# Altium PCB LimeSDR-X3_1v1.PcbDoc (part 19 of 25) (continued)
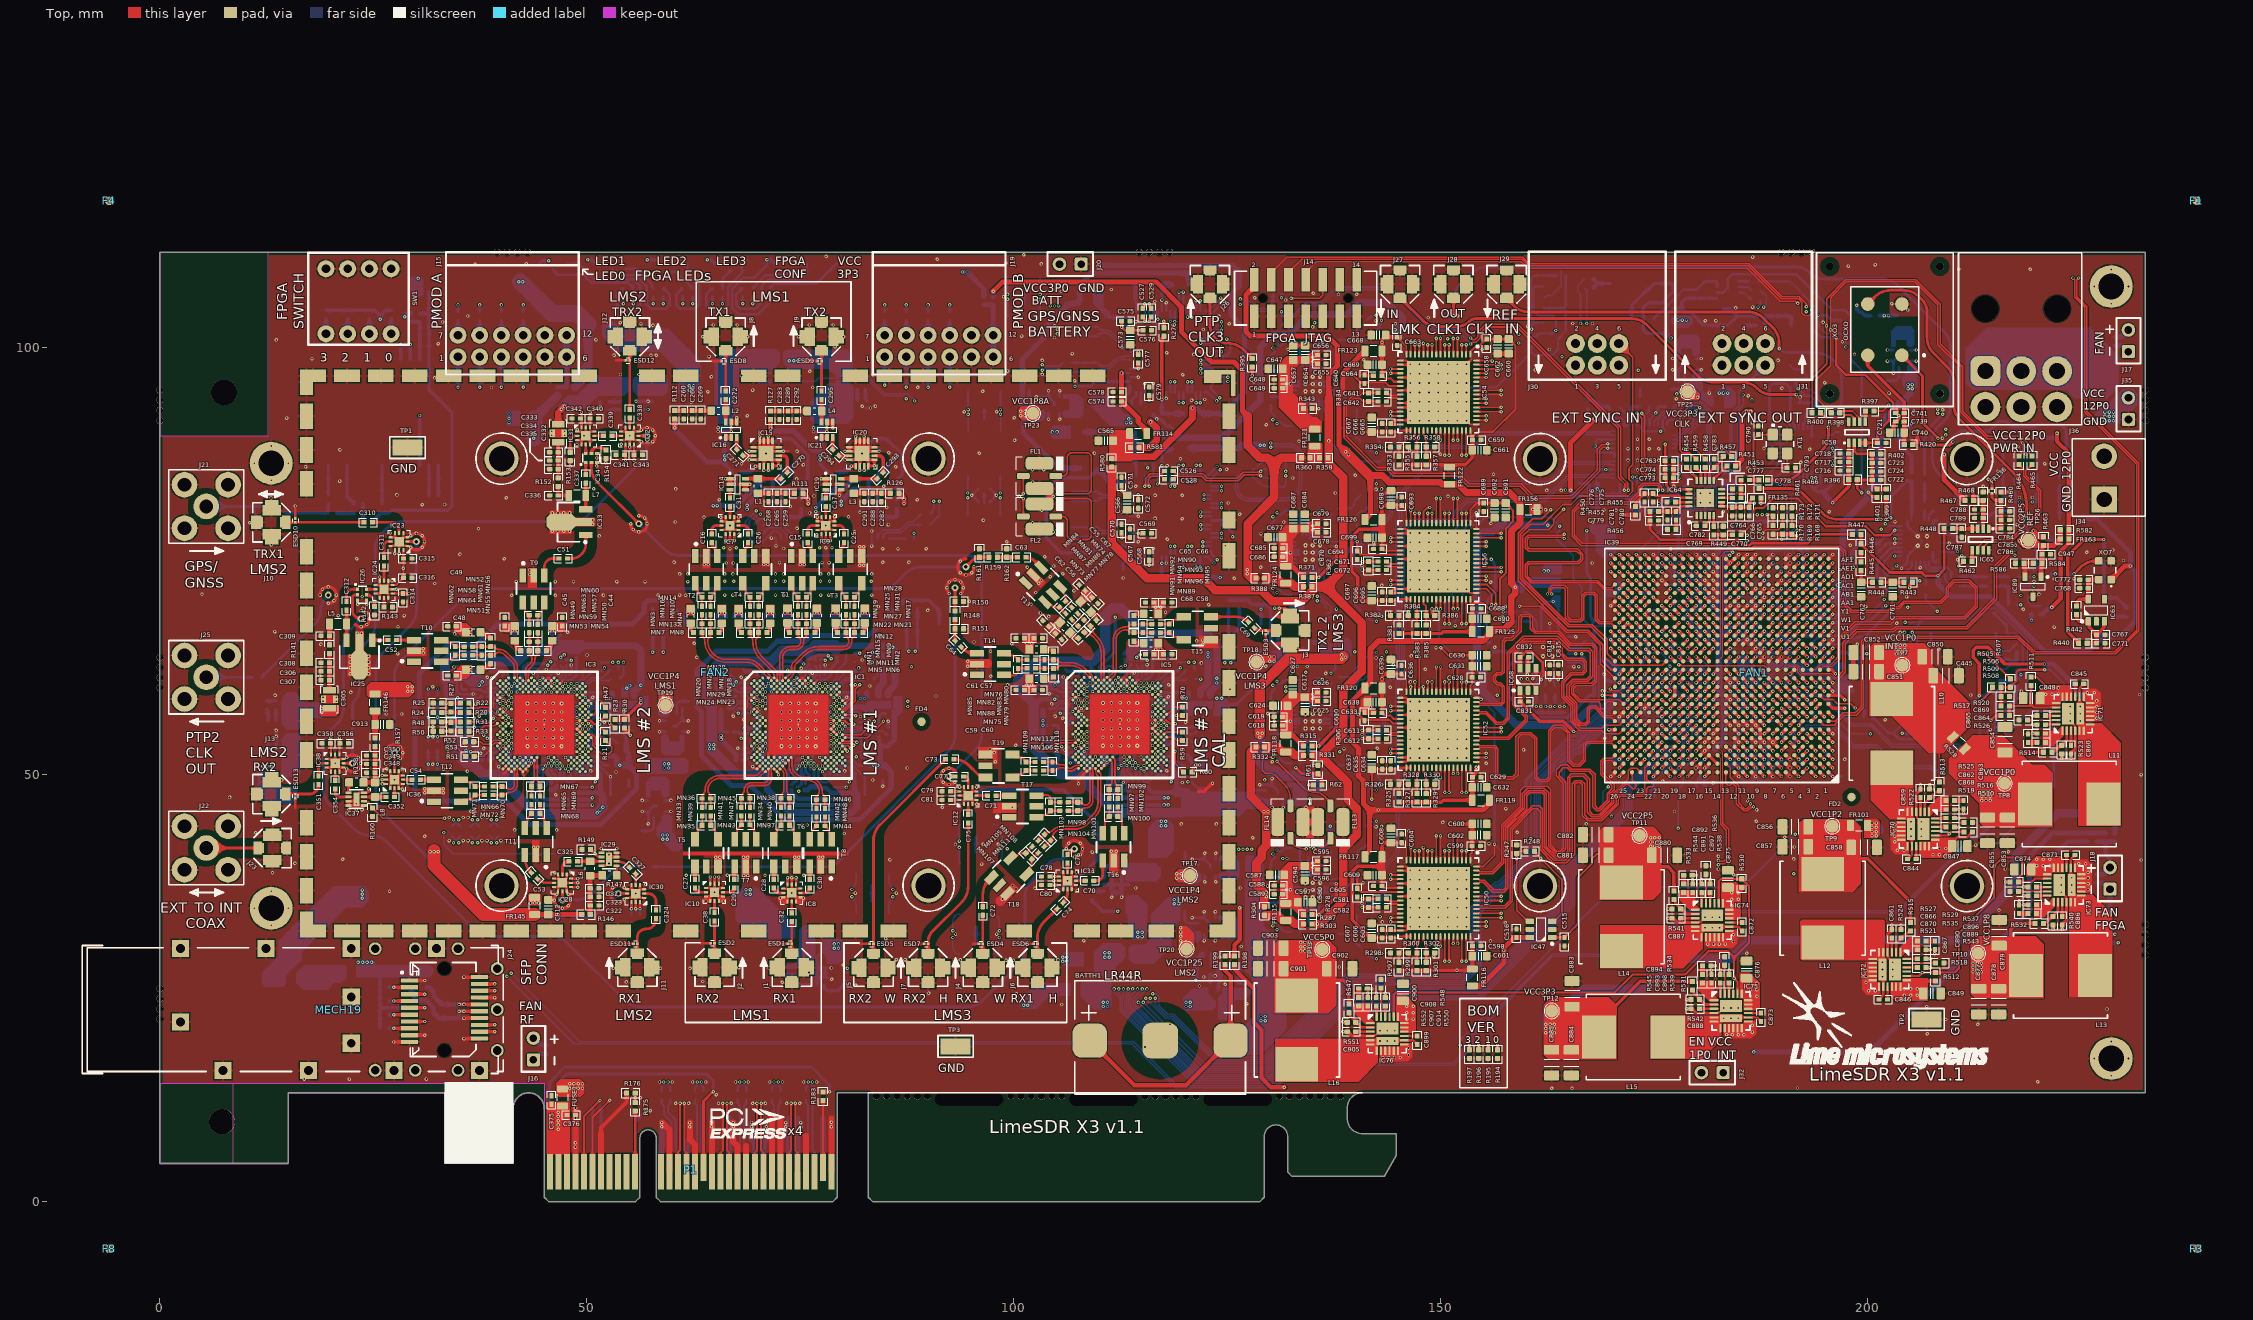
[diagram p0: Top view]
## Nets (pads, with @x,y where several pads share a name; then routed paths per layer and width w, separated by ;. In a path a pad name is that pad's centre, name@x,y a point inside that pad or via, vN(x,y) a via of type N, cw(c..) or ccw(c..) an arc to the next point about the centre after c; other vN are vias at no path point) (continued)
  Top w0.309: IC72.3@202.8,28.775 C861.1@202.8,30.875
NetC862_1: C862.1 IC70.1 R525.2 | length 3.7
  Top w0.2: IC70.1@207.15,45.625 207.425,45.9 207.775,45.9 ; 208.293,47.325 208.293,46.418 207.775,45.9 ; C862.1@209.1,45.9 207.775,45.9
NetC863_1: C863.1 R525.1 | length 1
  Top w0.5: R525.1@210.15,46.975 C863.1@211.189,46.975
NetC864_1: C864.1 IC71.1 R526.2 | length 3.7
  Top w0.2: C864.1@220.825,54.85 222.15,54.85 ; 221.632,53.425 221.632,54.332 222.15,54.85 ; IC71.1@222.775,55.125 222.5,54.85 222.15,54.85
NetC865_1: C865.1 R526.1 | length 1
  Top w0.5: C865.1@218.736,53.775 R526.1@219.775,53.775
NetC866_1: C866.1 IC72.1 R527.2 | length 3.7
  Top w0.2: IC72.1@203.8,29.175 204.075,29.45 204.425,29.45 ; 204.943,30.875 204.943,29.968 204.425,29.45 ; C866.1@205.75,29.45 204.425,29.45
NetC867_1: C867.1 R527.1 | length 1
  Top w0.5: R527.1@206.8,30.525 C867.1@207.839,30.525
NetC868_1: C868.1 IC70.24 | length 1.7
  Top w0.309: IC70.24@207.55,44.875 C868.1@209.2,44.875
NetC869_1: C869.1 IC71.24 | length 1.7
  Top w0.309: C869.1@220.725,55.875 IC71.24@222.375,55.875
NetC870_1: C870.1 IC72.24 | length 1.7
  Top w0.309: IC72.24@204.2,28.425 C870.1@205.85,28.425
NetC871_1: C871.1 IC73.15 | length 1.5
  Top w0.25: IC73.15@223.25,39.075 C871.1@223.25,40.575
NetC871_2: C871.2 IC73.5 IC73.6 IC73.7 IC73.14 IC73.26 L13.1 | length 8
  Top w0.2: IC73.5@223.75,35.075 223.75,31.475 225.625,29.6
  Top w0.25: IC73.14@223.75,39.075 223.75,40.075 C871.2@224.25,40.575
  other v4: 223.85,36.225 223.85,37.075 223.85,37.925
NetC872_1: C872.1 IC74.15 | length 1.5
  Top w0.25: IC74.15@183.776,32.68 C872.1@185.276,32.679
NetC872_2: C872.2 IC74.5 IC74.6 IC74.7 IC74.14 IC74.26 L14.1 | length 8
  Top w0.2: 174.301,30.305 176.176,32.18 IC74.5@179.776,32.18
  Top w0.25: IC74.14@183.776,32.18 184.776,32.179 C872.2@185.276,31.679
  other v4: 180.926,32.079 181.776,32.079 182.626,32.079
NetC873_1: C873.1 IC75.15 | length 1.5
  Top w0.25: IC75.15@185.975,22.075 C873.1@187.475,22.075
NetC873_2: C873.2 IC75.5 IC75.6 IC75.7 IC75.14 IC75.26 L15.1 | length 8
  Top w0.2: L15.1@176.5,19.7 178.375,21.575 IC75.5@181.975,21.575
  Top w0.25: IC75.14@185.975,21.575 186.975,21.575 C873.2@187.475,21.075
  other v4: 183.125,21.475 183.975,21.475 184.825,21.475
NetC886_1: C886.1 IC73.3 | length 2.1
  Top w0.309: C886.1@222.75,33.375 IC73.3@222.75,35.475
NetC887_1: C887.1 IC74.3 | length 2.1
  Top w0.309: C887.1@178.076,33.179 IC74.3@180.176,33.179
NetC888_1: C888.1 IC75.3 | length 2.1
  Top w0.309: C888.1@180.275,22.575 IC75.3@182.375,22.575
NetC889_1: C889.1 IC73.1 R543.2 | length 3.7
  Top w0.2: C889.1@219.8,34.8 221.125,34.8 ; 220.607,33.375 220.607,34.282 221.125,34.8 ; IC73.1@221.75,35.075 221.475,34.8 221.125,34.8
NetC890_1: C890.1 R543.1 | length 1
  Top w0.5: C890.1@217.711,33.725 R543.1@218.75,33.725
NetC891_1: C891.1 IC74.1 R544.2 | length 3.7
  Top w0.2: 178.076,35.322 178.983,35.322 179.501,34.804 ; C891.1@179.501,36.13 179.501,34.804 ; IC74.1@179.776,34.179 179.501,34.454 179.501,34.804
NetC892_1: C892.1 R544.1 | length 1
  Top w0.5: R544.1@178.426,37.18 C892.1@178.426,38.219
NetC893_1: C893.1 IC75.1 R545.2 | length 3.7
  Top w0.2: 180.275,24.718 181.182,24.718 181.7,24.2 ; C893.1@181.7,25.525 181.7,24.2 ; IC75.1@181.975,23.575 181.7,23.85 181.7,24.2
NetC894_1: C894.1 R545.1 | length 1
  Top w0.5: R545.1@180.625,26.575 C894.1@180.625,27.614
NetC896_1: C896.1 IC73.24 | length 1.7
  Top w0.309: C896.1@219.7,35.825 IC73.24@221.35,35.825
NetC897_1: C897.1 IC74.24 | length 1.7
  Top w0.309: IC74.24@180.526,34.579 C897.1@180.526,36.23
NetC898_1: C898.1 IC75.24 | length 1.7
  Top w0.309: IC75.24@182.725,23.975 C898.1@182.725,25.625
NetC899_1: C899.1 IC76.15 | length 1.5
  Top w0.25: IC76.15@145.725,19.4 C899.1@147.225,19.4
NetC899_2: C899.2 IC76.5 IC76.6 IC76.7 IC76.14 IC76.26 L16.1 | length 8
  Top w0.2: 136.25,17.025 138.125,18.9 IC76.5@141.725,18.9
  Top w0.25: IC76.14@145.725,18.9 146.725,18.9 C899.2@147.225,18.4
  other v4: 142.875,18.8 143.725,18.8 144.575,18.8
NetC905_1: C905.1 IC76.3 | length 2.1
  Top w0.309: C905.1@140.025,19.9 IC76.3@142.125,19.9
NetC907_1: C907.1 IC76.1 R552.2 | length 3.7
  Top w0.2: 140.025,22.043 140.932,22.043 141.45,21.525 ; C907.1@141.45,22.85 141.45,21.525 ; IC76.1@141.725,20.9 141.45,21.175 141.45,21.525
NetC908_1: C908.1 R552.1 | length 1
  Top w0.5: R552.1@140.375,23.9 C908.1@140.375,24.939
NetC909_1: C909.1 C910.1 C911.1 FUSE2.2 J36.1 J36.2 J36.3
NetC914_2: C914.2 IC76.24 | length 1.7
  Top w0.309: IC76.24@142.475,21.3 C914.2@142.475,22.95
NetC920_2: C920.2 C924.1 FR147.1 IC77.5 R554.2 | length 1.3
  Bottom w0.3: FR147.1@124.625,21.825 124.625,22.95 C920.2@124.775,23.1
NetC922_2: C922.2 C925.1 FR148.1 IC78.5 R556.2 | length 2.5
  Bottom w0.3: C922.2@114.75,38.662 114.9,38.512 FR148.1@116.025,38.512
  Bottom w0.5: C925.1@113.05,39.3 R556.2@113.05,40.425
NetC923_2: C923.2 C926.1 FR149.1 IC79.5 R558.2 | length 3.5
  Bottom w0.3: C923.2@75.825,29.925 75.975,30.075 FR149.1@75.975,31.2
  Bottom w0.5: R558.2@73.25,27.5 C926.1@74.3,27.5 74.3,27.55 74.35,27.55 75.075,28.275 75.075,28.3
NetC924_2: C924.2 IC77.4 R554.1 R559.2 | length 4.6
  Bottom w0.5: IC77.4@124.75,27.625 R559.2@126.375,27.625
  Bottom w0.6: R559.2@126.375,27.625 126.375,25.725 C924.2@126.425,25.675 R554.1@127.475,25.675
NetC925_2: C925.2 IC78.4 R556.1 R560.2 | length 3.9
  Bottom w0.5: IC78.4@110.525,37.975 110.525,39.125 R560.2@110.7,39.3 111.883,39.3 C925.2@112.05,39.3 R556.1@112.05,40.425
NetC926_2: C926.2 IC79.4 R558.1 R561.2 | length 4.1
  Bottom w0.5: R558.1@73.25,26.5 C926.2@74.3,26.5 R561.2@74.3,25.325 IC79.4@76.125,25.325
NetC927_2: C927.2 FR150.2 IC80.5 IC80.8 | length 3
  Bottom w0.3: IC80.5@124.35,40.1 125.266,40.1 FR150.2@125.655,39.711 C927.2@125.655,38.136
NetC929_2: C929.2 FR151.2 IC81.5 IC81.8 | length 3
  Bottom w0.3: IC81.5@135.22,65.489 136.136,65.489 FR151.2@136.525,65.1 C929.2@136.525,63.525
NetC931_2: C931.2 FR152.2 IC82.5 IC82.8 | length 3
  Bottom w0.3: C931.2@59.191,52.988 FR152.2@60.766,52.988 61.155,53.376 IC82.5@61.155,54.292
NetC933_2: C933.2 FR153.2 IC83.5 IC83.8 | length 3
  Bottom w0.3: IC83.5@124.316,33.225 125.232,33.225 FR153.2@125.621,32.836 C933.2@125.621,31.261
NetC935_2: C935.2 FR154.2 IC84.5 IC84.8 | length 3
  Bottom w0.3: IC84.5@132.25,48.8 133.166,48.8 FR154.2@133.555,48.411 C935.2@133.555,46.836
NetC937_2: C937.2 FR155.2 IC85.5 IC85.8 | length 3
  Bottom w0.3: IC85.5@57.175,47.7 57.175,48.616 FR155.2@57.564,49.005 C937.2@59.139,49.005
NetC941_2: C941.2 FR159.2 IC86.5 IC86.8 | length 3
  Bottom w0.3: IC86.5@106.07,94.251 106.986,94.251 FR159.2@107.375,93.862 C941.2@107.375,92.287
NetC943_2: C943.2 FR160.2 IC87.5 IC87.8 | length 3
  Bottom w0.3: IC87.5@202.986,100.445 202.986,101.361 FR160.2@203.375,101.75 C943.2@204.95,101.75
NetC945_2: C945.2 FR162.2 IC88.5 IC88.8 | length 3
  Bottom w0.3: IC88.5@177.836,99.445 177.836,100.361 FR162.2@178.225,100.75 C945.2@179.8,100.75
NetFR115_1: FR115.1 R303.1 R304.1 | length 4.7
  Top w1: R304.1@129.45,33.525 130.875,33.525 131.475,32.925 FR115.1@131.825,32.925 132.475,32.925 132.875,32.525 R303.1@133.775,32.525
NetFR118_1: FR118.1 R331.1 R332.1 | length 4.7
  Top w1: R332.1@129.45,53.25 130.875,53.25 131.475,52.65 FR118.1@131.825,52.65 132.475,52.65 132.875,52.25 R331.1@133.775,52.25
NetFR121_1: FR121.1 R359.1 R360.1
NetFR124_1: FR124.1 R387.1 R388.1 | length 4.7
  Top w1: R388.1@129.45,73 130.75,73 131.35,72.4 FR124.1@131.825,72.4 132.475,72.4 132.875,72 R387.1@133.775,72
NetFR132_2: FR132.2 R420.1 R434.2 R435.1 R440.1 | length 72.7
  Top w0.4: R420.1@205.25,88.65 205.775,89.175 ; v1(205.775,90.275) 205.775,89.175 ; v1(209.95,88.95) 209.6,88.6 206.35,88.6 205.775,89.175 ; R440.1@224.727,65.377 223.375,66.729 223.375,75.65 225.251,77.526 v1(227.626,77.526)
  L3 w0.4: v1(209.95,88.95) 211.725,90.725 222.625,90.725 224.25,89.1 224.25,80.902 v1(227.626,77.526)
  Bottom w0.4: FR132.2@205.775,88.987 v1(205.775,90.275) ; v1(209.95,88.95) 209.95,89.4 210.775,90.225 214.2,90.225 215.325,91.35 216.2,91.35 216.825,90.725 219.55,90.725 219.825,91 222.6,91 223.225,90.375 223.225,87.649 R435.1@222.436,86.86 ; R434.2@227.626,76.046 v1(227.626,77.526)
NetFR134_1: FR134.1 R436.2 R438.1 | length 4.9
  Bottom w0.6: R436.2@197.05,78.475 198.675,78.475 FR134.1@199.05,78.1
  Bottom w0.8: R438.1@197.05,75.725 R436.2@197.05,78.45
NetFR138_1: FR138.1 R483.2 R484.1
NetFR141_1: FR141.1 R492.2 R493.1
NetIC1_D28: IC1.D28 R10.1 | length 2.9
  Bottom w0.15: v2(78.242,60.335) 78.295,60.282 78.766,60.282 78.991,60.507 78.991,60.695 R10.1@80.321,62.025
NetIC1_F18: IC1.F18 R12.1 | length 2.2
  Bottom w0.25: R12.1@74.342,57.767 74.291,57.818 74.291,58.551 74.674,58.934 74.674,59.43 v2(74.912,59.669)
NetIC1_F28: IC1.F28 R9.1 | length 5.4
  Bottom w0.15: v2(78.242,59.669) 78.592,60.019 78.956,60.019 79.243,60.306 80.281,61.344 81.584,61.344 R9.1@82.522,62.282
NetIC1_F30: IC1.F30 R8.1 | length 4.2
  Bottom w0.2: v2(78.908,59.669) 78.995,59.669 80.37,61.044 82.406,61.044 R8.1@82.531,61.169
NetIC3_AA5: IC3.AA5 R43.1 | length 12.5
  L4 w0.1: v1@39.382,44.768 cw(c39.762,45.147) 39.225,45.147 39.225,48.573 cw(c41.705,48.573) 39.951,50.326 40.931,51.306 ccw(c39.135,53.102) 41.675,53.102 41.675,54.207 ccw(c41.209,54.207) 41.209,54.674 v2(40.833,54.674)
  Bottom w0.2: v1(39.425,44.725) 39.263,44.562 39.263,44.287 R43.1@39.675,43.875
NetIC3_AA33: IC3.AA33 R21.2 | length 5.4
  Top w0.15: IC3.AA33@50.157,54.674 50.157,54.691 50.635,54.691 50.947,54.379 50.947,53.605 51.121,53.432 51.469,53.432 51.641,53.604 51.641,54.432 51.316,54.757 51.316,55.182 51.516,55.382 51.791,55.382 R21.2@52.191,54.982
NetIC3_AB2: IC3.AB2 R40.1 | length 14.6
  L6 w0.1: v1(35,44.725) cw(c35.513,45.238) 34.787,45.238 34.787,45.45 cw(c36.387,45.45) 35.256,46.581 37.931,49.256 ccw(c36.135,51.052) 38.675,51.052 38.675,51.069 cw(c38.931,51.069) 38.931,51.325 39.7,51.325 ccw(c39.7,51.55) 39.925,51.55 39.925,51.7 ccw(c39.7,51.7) 39.7,51.925 39,51.925 cw(c39,52.25) 38.675,52.25 cw(c40.924,52.25) 39.334,53.84 v2(39.834,54.341)
  Bottom w0.2: v1(35,44.725) 34.837,44.562 34.837,44.288 R40.1@35.25,43.875
NetIC3_AB4: IC3.AB4 R41.1 | length 12.7
  L4 w0.1: v1@38.843,44.768 ccw(c38.463,45.147) 39,45.147 39,52.775 ccw(c38.65,52.775) 38.65,53.125 cw(c38.65,53.45) 38.325,53.45 cw(c38.675,53.45) 38.675,53.8 39.475,53.8 ccw(c39.475,54.97) 40.302,54.143 v2(40.5,54.341)
  Bottom w0.2: R41.1@38.55,43.875 38.963,44.287 38.963,44.562 v1(38.8,44.725)
NetIC3_AB6: IC3.AB6 R55.1 | length 12.9
  L6 w0.1: v1(37.2,44.725) cw(c37.713,45.238) 36.987,45.238 36.988,45.591 cw(c37.884,45.591) 37.25,46.225 40.185,49.16 ccw(c38.747,50.598) 40.78,50.598 cw(c43.134,50.598) 41.47,52.262 41.591,52.384 ccw(c40.907,53.068) 41.875,53.068 41.875,53.632 ccw(c41.166,53.632) v2(41.166,54.341)
  Bottom w0.2: v1(37.2,44.725) 37.038,44.562 37.038,44.287 R55.1@37.45,43.875
NetIC3_AB34: IC3.AB34 R21.1 | length 5.3
  Top w0.15: IC3.AB34@50.49,54.341 50.697,54.134 50.697,53.428 51.693,52.432 52.607,52.432 52.891,52.716 52.891,53.282 R21.1@52.191,53.982
NetIC3_AC3: IC3.AC3 R53.1 | length 3.8
  Top w0.1: 39.475,54.008 IC3.AC3@40.167,54.008
  Top w0.15: R53.1@36.75,53.85 37.525,53.85 37.85,53.525 38.6,53.525 39.083,54.008 39.475,54.008
NetIC3_AC5: IC3.AC5 R54.1 | length 12.9
  L6 w0.1: v1(36.575,44.725) ccw(c36.062,45.238) 36.787,45.238 36.788,45.591 cw(c37.884,45.591) 37.109,46.366 40.027,49.284 ccw(c38.713,50.598) 40.571,50.598 cw(c43.1,50.598) 41.311,52.386 41.45,52.525 ccw(c40.907,53.068) 41.675,53.068 41.675,53.63 ccw(c41.305,53.63) 41.305,54 40.841,54 v2(40.833,54.008)
  Bottom w0.2: R54.1@36.325,43.875 36.738,44.287 36.738,44.562 v1(36.575,44.725)
NetIC3_AD2: IC3.AD2 R51.1 | length 3.9
  Top w0.15: R51.1@36.8,52.125 37.9,52.125 38.75,52.975 38.75,53.25 39.225,53.725 39.646,53.725 39.658,53.713 39.796,53.713 IC3.AD2@39.834,53.675
NetIC3_D28: IC3.D28 R46.1 | length 2.9
  Bottom w0.15: v2(48.492,60.335) 48.545,60.282 49.016,60.282 49.241,60.507 49.241,60.695 R46.1@50.571,62.025
NetIC3_F18: IC3.F18 R56.1 | length 2.2
  Bottom w0.25: R56.1@44.592,57.767 44.541,57.818 44.541,58.551 44.924,58.934 44.924,59.43 v2(45.162,59.669)
NetIC3_F28: IC3.F28 R45.1 | length 5.4
  Bottom w0.15: v2(48.492,59.669) 48.842,60.019 49.206,60.019 49.493,60.306 50.531,61.344 51.834,61.344 R45.1@52.772,62.282
NetIC3_F30: IC3.F30 R44.1 | length 4.2
  Bottom w0.2: v2(49.158,59.669) 49.245,59.669 50.62,61.044 52.656,61.044 R44.1@52.781,61.169
NetIC3_P2: IC3.P2 R22.1 | length 4.2
  Top w0.1: 38.827,57.552 39.366,57.013 39.826,57.013 IC3.P2@39.834,57.005
  Top w0.15: R22.1@36.2,58.2 36.65,57.75 37.25,57.75 37.375,57.875 38.504,57.875 38.827,57.552
NetIC3_P34: IC3.P34 R47.1 | length 3.7
  Top w0.15: IC3.P34@50.49,57.005 50.849,57.005 51.001,57.157 51.001,58.546 51.187,58.732 51.551,58.732 51.716,58.566 51.716,58.332 R47.1@52.166,57.882
NetIC3_R3: IC3.R3 R20.1 | length 4.6
  Top w0.1: 38.613,57.338 39.018,56.932 39.161,56.932 39.421,56.672 IC3.R3@40.167,56.672
  Top w0.15: R20.1@36.2,57.1 37.1,57.1 37.6,57.6 38.35,57.6 38.613,57.338
NetIC3_R5: IC3.R5 R19.1 | length 13
  L4 w0.1: v1(31.4,60.025) 31.425,60.025 cw(c31.425,59.6) 31.85,59.6 31.85,59.229 ccw(c33.268,59.229) 32.265,58.227 32.512,57.98 cw(c32.029,57.498) 32.712,57.498 ccw(c33.418,57.498) 32.919,56.999 32.941,56.976 ccw(c33.668,57.703) 33.668,56.675 34.45,56.675 cw(c34.45,55.287) 35.432,56.268 ccw(c36.047,56.884) 36.047,56.014 40.605,56.014 ccw(c40.605,56.25) 40.841,56.25 v2@40.841,56.672
  Bottom w0.3: R19.1@31.4,59.35 v1(31.4,60.025)
  other v2: 40.833,56.672
NetIC3_R29: IC3.R29 R47.2 | length 3.7
  Top w0.2: v1(51.466,56.482) 51.766,56.482 R47.2@52.166,56.882
  L3 w0.1: v2(48.825,56.672) 49.165,56.332 49.831,56.332 49.981,56.482 v1(51.466,56.482)
NetIC3_T4: IC3.T4 R16.1 | length 12.9
  L4 w0.1: v1@32.475,60.025 ccw(c32.475,59.6) 32.05,59.6 32.05,59.275 ccw(c33.378,59.275) 32.439,58.336 32.676,58.099 cw(c32.074,57.498) 32.925,57.498 ccw(c33.463,57.498) 33.082,57.118 ccw(c33.668,57.703) 33.668,56.875 34.481,56.875 cw(c34.481,55.318) 35.582,56.419 ccw(c36.078,56.915) 36.078,56.214 38.138,56.214 ccw(c38.138,56.576) 38.5,56.576 38.5,56.675 cw(c38.9,56.675) 38.9,57.075 39.125,57.075 cw(c39.125,56.725) 39.475,56.725 39.475,56.539 ccw(c39.8,56.539) 39.8,56.214 40.198,56.214 ccw(c40.198,56.64) v2(40.5,56.339)
  Bottom w0.3: R16.1@32.5,59.35 v1(32.5,60.025)
NetIC3_T6: IC3.T6 R29.1 | length 10.9
  L4 w0.1: v1(32.5,54.425) cw(c33.6,54.425) 33.6,55.525 33.665,55.525 cw(c33.665,54.415) 34.45,55.2 ccw(c35.536,56.286) 35.536,54.75 36.851,54.75 ccw(c36.851,55.774) 37.575,55.05 cw(c37.877,54.748) 37.877,55.175 40.002,55.175 ccw(c40.002,56.339) v2(41.166,56.339)
  Bottom w0.3: R29.1@32.5,53.85 v1(32.5,54.425)
NetIC3_U1: IC3.U1 R33.1 | length 3.7
  Top w0.15: R33.1@36.2,55.075 37.325,55.075 37.975,55.725 39.22,55.725 IC3.U1@39.501,56.006
NetIC3_U3: IC3.U3 R31.1 | length 4.3
  Top w0.1: 38.6,56.075 39.05,56.075 39.4,56.425 39.748,56.425 IC3.U3@40.167,56.006
  Top w0.15: R31.1@36.2,56.175 37.975,56.175 38.075,56.075 38.6,56.075
NetIC3_U31: IC3.U31 R49.2 | length 1.9
  Bottom w0.1: R49.2@49.416,57.457 49.166,57.207 49.166,56.553 49.041,56.428 49.041,56.249 49.285,56.006 v2(49.491,56.006)
NetIC3_V2: IC3.V2 R26.1 | length 11
  L4 w0.1: v1(31.4,54.425) 31.4,55.55 cw(c31.875,55.55) 31.875,56.025 32.663,56.025 cw(c32.663,55.513) 33.025,55.875 ccw(c33.387,56.237) 33.387,55.725 33.754,55.725 cw(c33.754,54.629) 34.529,55.404 ccw(c35.625,56.5) 35.625,54.95 36.827,54.95 ccw(c36.827,55.798) 37.427,55.198 cw(c37.853,54.772) 37.853,55.375 39.536,55.375 ccw(c39.536,55.673) v2(39.834,55.673)
  Bottom w0.3: R26.1@31.4,53.85 v1(31.4,54.425)
NetIC3_V32: IC3.V32 R23.1 | length 4.7
  Top w0.2: v1@52.717,56.031 R23.1@53.291,55.457
  L4 w0.1: v2(49.824,55.673) 49.832,55.681 49.832,56.14 50.022,56.331 50.369,56.331 51.131,55.569 52.179,55.569 v1(52.641,56.031)
NetIC3_Y6: IC3.Y6 R37.1 | length 14.5
  L6 w0.1: v1(34.375,44.725) ccw(c33.862,45.238) 34.587,45.238 34.588,45.45 cw(c36.428,45.45) 35.127,46.752 37.803,49.428 ccw(c36.182,51.05) 38.475,51.05 38.475,52.483 cw(c40.93,52.483) 39.194,54.219 39.409,54.434 cw(c40.792,53.051) 40.792,55.007 v2(41.166,55.007)
  Bottom w0.2: R37.1@34.125,43.875 34.538,44.288 34.538,44.562 v1(34.375,44.725)
NetIC5_AA33: IC5.AA33 R59.2 | length 2.3
  Top w0.15: IC5.AA33@117.551,54.73 IC5.AA33@117.551,54.747
  Top w0.2: IC5.AA33@117.597,54.69 117.905,54.998 R59.2@119.731,54.998
NetIC5_AB34: IC5.AB34 R59.1 | length 1.9
  Top w0.2: IC5.AB34@117.93,54.357 118.697,54.357 119.056,53.998 R59.1@119.731,53.998
NetIC5_D28: IC5.D28 R69.1 | length 2.9
  Bottom w0.15: v2@115.932,60.351 115.934,60.35 116.508,60.35 116.681,60.523 116.681,60.711 R69.1@118.011,62.041
  other v2: 115.886,60.391
NetIC5_F18: IC5.F18 R72.1 | length 2.2
  Bottom w0.25: R72.1@112.033,57.783 111.981,57.835 111.981,58.568 112.364,58.95 112.364,59.533 v2(112.556,59.725)
NetIC5_F28: IC5.F28 R68.1 | length 5.4
  Bottom w0.15: v2(115.886,59.725) 116.261,60.1 116.711,60.1 116.934,60.323 117.971,61.36 119.274,61.36 R68.1@120.212,62.299
NetIC5_F30: IC5.F30 R67.1 | length 4.2
  Bottom w0.2: v2@116.598,59.685 116.685,59.685 118.06,61.06 120.096,61.06 R67.1@120.221,61.185
  other v2: 116.552,59.725
NetIC5_P34: IC5.P34 R70.1 | length 2.2
  Top w0.2: IC5.P34@117.93,57.021 118.834,57.925 R70.1@119.725,57.925
NetIC5_R29: IC5.R29 R70.2 | length 3.9
  Top w0.2: v1(119,56.925) R70.2@119.725,56.925
  L3 w0.1: v2@116.265,56.688 116.877,57.3 118.625,57.3 v1(119,56.925)
  other v2: 116.219,56.728
NetIC5_U31: IC5.U31 R71.2 | length 1.7
  Bottom w0.1: R71.2@116.85,57.3 116.56,57.3 116.56,56.394 v2@116.931,56.022
  Bottom w0.15: v2@116.931,56.022 v2@116.948,56.039
  other v2: 116.885,56.062
NetIC5_V32: IC5.V32 R60.1 | length 10.1
  Top w0.2: v1(118.85,52.725) 118.85,51.325 R60.1@119.875,50.3
  L4 w0.1: v2(117.218,55.729) 116.529,55.729 115.75,54.95 115.75,53.233 116.058,52.925 116.462,52.925 116.962,53.425 117.625,53.425 118.325,52.725 v1(118.85,52.725)
NetIC13_5: IC13.5 R114.2 | length 1.3
  Bottom w0.4: R114.2@70.175,96.975 70.225,97.025 IC13.5@71.475,97.025
NetIC17_5: IC17.5 R123.1 | length 4.5
  Bottom w0.2: R123.1@70.6,79.1 70.825,79.325 72.8,79.325 74.083,78.042 IC17.5@74.083,77.644
NetIC17_6: IC17.6 R124.1 | length 3.9
  Bottom w0.2: R124.1@70.6,78.2 71.325,78.925 72.55,78.925 73.433,78.042 IC17.6@73.433,77.644
NetIC17_7: IC17.7 R125.1 | length 3.5
  Bottom w0.2: R125.1@70.6,77.1 70.6,77.275 71.225,77.9 71.225,77.916 ; 71.217,77.908 71.225,77.916 ; IC17.7@72.783,77.644 72.683,77.744 72.683,78.117 72.3,78.5 71.809,78.5 71.225,77.916
NetIC18_5: IC18.5 R129.2 | length 1.3
  Bottom w0.4: IC18.5@81.65,95.1 81.65,93.85 R129.2@81.7,93.8
NetIC22_5: IC22.5 R138.1 | length 2
  Bottom w0.2: IC22.5@85.31,77.65 R138.1@87.3,77.65
NetIC22_6: IC22.6 R139.1 | length 5.3
  Bottom w0.2: IC22.6@84.66,77.644 84.66,77.985 85.025,78.35 86.824,78.35 87.724,79.25 R139.1@89.125,79.25
NetIC22_7: IC22.7 R140.1 | length 6.5
  Bottom w0.2: IC22.7@84.01,77.644 84.01,77.985 84.675,78.65 86.7,78.65 87.6,79.55 88.178,79.55 R140.1@89.125,80.497
NetIC24_5: IC24.5 IC26.6 | length 1.1
  Top w0.325: IC26.6@24.204,71.702 IC24.5@25.229,71.702 IC24.5@25.354,71.702
NetIC26_5: IC26.5 R142.1 | length 1.9
  Top w0.325: IC26.5@24.204,71.052 cw(c24.204,70.152) 25.104,70.152 R142.1@25.104,69.677
NetIC27_5: IC27.5 R145.2 | length 1.3
  Bottom w0.4: R145.2@13.573,57.602 13.573,56.414 IC27.5@13.625,56.362
NetIC29_1: IC29.1 R147.1 | length 1.2
  Top w0.3: R147.1@53.477,38.201 IC29.1@53.477,39.351
NetIC31_5: IC31.5 IC34.6 | length 1.2
  Top w0.325: IC34.6@49.861,87.594 IC31.5@49.861,88.669 IC31.5@49.861,88.794
NetIC34_5: IC34.5 R154.1 | length 2.2
  Top w0.325: IC34.5@50.511,87.594 50.511,87.719 cw(c51.061,87.719) 51.061,88.269 51.547,88.269 cw(c51.547,87.331) R154.1@52.211,87.995
NetIC35_5: IC35.5 R156.2 | length 1.3
  Bottom w0.4: R156.2@52.61,93.65 53.798,93.65 IC35.5@53.85,93.702
NetIC37_1: IC37.1 R158.1 | length 1.2
  Top w0.3: IC37.1@22.091,47.882 22.091,49.032 cw(c22.141,49.032) R158.1@22.141,49.082
NetIC39_A15: IC39.A15 R166.1 | length 1.9
  Top w0.4: v1(180.875,49.775) IC39.A15@181.375,50.275
  Bottom w0.4: R166.1@180.875,48.55 v1(180.875,49.775)
NetIC39_AF15: IC39.AF15 R163.1 | length 1.4
  Top w0.4: v1(180.875,75.775) IC39.AF15@181.375,75.275
  Bottom w0.4: R163.1@180.375,75.275 v1(180.875,75.775)
NetIC39_H13: IC39.H13 R164.1 | length 38.1
  Top w0.4: IC39.H13@183.375,57.275 v1(183.875,56.775)
  Bottom w0.15: v1(183.875,56.775) 184.325,56.325 186.125,56.325 186.425,56.625 186.425,56.931 186.794,57.3 189.95,57.3 190.312,57.663 190.312,57.963 190.738,58.388 191.037,58.388 191.4,58.75 191.4,59.95 191.725,60.275 195.025,60.275 195.15,60.4 196.252,60.4 196.755,60.902 197.742,60.902 198.35,61.51 198.35,63.6 199.725,64.975 200.825,64.975 203,67.15 205.55,67.15 206.55,68.15 212.775,68.15 R164.1@213.6,68.975
NetIC39_N12: IC39.N12 R165.2 R167.2 | length 25.4
  Top w0.4: IC39.N12@184.375,62.275 v1(184.875,61.775)
  L4 w0.1: v1(184.875,61.775) 185.925,62.825 191.35,62.825 191.825,62.35 193.25,62.35 193.9,63 198.7,63 v1(199.85,64.15)
  Bottom w0.3: R165.2@199.525,56.725 R167.2@199.525,57.825 199.525,60.89 198.85,61.565 198.85,63.458 199.542,64.15 v1(199.85,64.15)
NetIC46_1: IC46.1 R252.2 | length 3.6
  Bottom w0.4: R252.2@32.6,82.625 IC46.1@32.6,86.225
NetIC46_2: IC46.2 R249.2 | length 3.6
  Bottom w0.4: R249.2@31.5,82.625 IC46.2@31.5,86.225
NetIC48_17: IC48.17 R273.2 | length 1.7
  Bottom w0.3: R273.2@113.777,74.027 113.777,74.577 114.328,75.128 IC48.17@114.328,75.503
NetIC48_18: IC48.18 R273.1 | length 2.6
  Bottom w0.3: R273.1@112.777,74.027 112.777,74.752 113.578,75.553 IC48.18@113.578,76.253
NetIC48_39: IC48.39 R275.1 | length 1.4
  Bottom w0.3: IC48.39@116.328,85.003 R275.1@116.328,86.401
NetIC49_17: IC49.17 R274.2 | length 1.7
  Bottom w0.3: R274.2@113.777,93.302 113.777,93.852 114.328,94.403 IC49.17@114.328,94.778
NetIC49_18: IC49.18 R274.1 | length 2.6
  Bottom w0.3: R274.1@112.777,93.302 112.777,94.027 113.578,94.828 IC49.18@113.578,95.528
NetIC49_39: IC49.39 R276.1 | length 3.4
  Top w0.4: R276.1@117.55,102.325 v1(117.55,103.075)
  Bottom w0.325: IC49.39@116.328,104.278 116.328,103.097 116.675,102.75 117.225,102.75 v1(117.55,103.075)
NetIC51_1: IC51.1 R277.1 R284.2 | length 3
  Bottom w0.254: R277.1@130.075,35 R284.2@131.175,35 131.709,35 ccw(c131.709,35.341) 131.95,35.1 cw(c132.312,34.738) 132.312,35.25 IC51.1@133,35.25
NetIC51_2: IC51.2 R284.1 | length 1.9
  Bottom w0.254: R284.1@131.175,36 131.698,36 cw(c131.698,35.573) 132,35.875 ccw(c132.302,36.177) 132.302,35.75 IC51.2@133,35.75
NetIC51_5: IC51.5 R289.1 | length 1.9
  Bottom w0.254: R289.1@131.175,37 131.698,37 ccw(c131.698,37.427) 132,37.125 cw(c132.302,36.823) 132.302,37.25 IC51.5@133,37.25
NetIC51_6: IC51.6 R289.2 R293.1 | length 3
  Bottom w0.254: R293.1@130.075,38 R289.2@131.175,38 131.709,38 cw(c131.709,37.659) 131.95,37.9 ccw(c132.312,38.262) 132.312,37.75 ; 132.312,37.75 IC51.6@133,37.75
NetIC51_7: IC51.7 R288.1 R294.2 | length 3
  Bottom w0.254: R288.1@133.5,41.425 R294.2@133.5,40.325 133.5,39.802 ccw(c133.927,39.802) 133.625,39.5 cw(c133.323,39.198) 133.75,39.198 IC51.7@133.75,38.5
NetIC51_8: IC51.8 R294.1 | length 1.9
  Bottom w0.254: IC51.8@134.25,38.5 134.25,39.188 cw(c134.762,39.188) 134.4,39.55 ccw(c134.159,39.791) 134.5,39.791 R294.1@134.5,40.325
NetIC51_23: IC51.23 R279.1 | length 1.9
  Bottom w0.254: IC51.23@134.25,34.5 134.25,33.812 ccw(c134.762,33.812) 134.4,33.45 cw(c134.159,33.209) 134.5,33.209 R279.1@134.5,32.675
NetIC51_24: IC51.24 R279.2 R283.1 | length 3
  Bottom w0.254: R283.1@133.5,31.575 R279.2@133.5,32.675 133.5,33.198 cw(c133.927,33.198) 133.625,33.5 ccw(c133.323,33.802) 133.75,33.802 IC51.24@133.75,34.5
NetIC53_1: IC53.1 R305.1 R312.2 | length 3
  Bottom w0.254: R305.1@130.075,54.75 R312.2@131.175,54.75 131.709,54.75 ccw(c131.709,55.091) 131.95,54.85 cw(c132.312,54.488) 132.312,55 IC53.1@133,55
NetIC53_2: IC53.2 R312.1 | length 1.9
  Bottom w0.254: R312.1@131.175,55.75 131.698,55.75 cw(c131.698,55.323) 132,55.625 ccw(c132.302,55.927) 132.302,55.5 IC53.2@133,55.5
NetIC53_5: IC53.5 R317.1 | length 1.9
  Bottom w0.254: R317.1@131.175,56.75 131.698,56.75 ccw(c131.698,57.177) 132,56.875 cw(c132.302,56.573) 132.302,57 IC53.5@133,57
NetIC53_6: IC53.6 R317.2 R321.1 | length 3
  Bottom w0.254: R321.1@130.075,57.75 R317.2@131.175,57.75 131.709,57.75 cw(c131.709,57.409) 131.95,57.65 ccw(c132.312,58.012) 132.312,57.5 IC53.6@133,57.5
NetIC53_7: IC53.7 R316.1 R322.2 | length 3
  Bottom w0.254: R322.2@133.5,60 R316.1@133.5,61.1 ; R322.2@133.5,60.075 133.5,59.552 ccw(c133.927,59.552) 133.625,59.25 cw(c133.323,58.948) 133.75,58.948 IC53.7@133.75,58.25
NetIC53_8: IC53.8 R322.1 | length 1.9
  Bottom w0.254: IC53.8@134.25,58.25 134.25,58.938 cw(c134.762,58.938) 134.4,59.3 ccw(c134.159,59.541) 134.5,59.541 R322.1@134.5,60.075
NetIC53_23: IC53.23 R307.1 | length 1.9
  Bottom w0.254: IC53.23@134.25,54.25 134.25,53.562 ccw(c134.762,53.562) 134.4,53.2 cw(c134.159,52.959) 134.5,52.959 R307.1@134.5,52.425
NetIC53_24: IC53.24 R307.2 R311.1 | length 3
  Bottom w0.254: R311.1@133.5,51.325 R307.2@133.5,52.425 133.5,52.948 cw(c133.927,52.948) 133.625,53.25 ccw(c133.323,53.552) 133.75,53.552 IC53.24@133.75,54.25
NetIC55_1: IC55.1 R333.1 R340.2 | length 3
  Bottom w0.254: R333.1@130.075,94.25 R340.2@131.175,94.25 131.709,94.25 ccw(c131.709,94.591) 131.95,94.35 cw(c132.312,93.988) 132.312,94.5 IC55.1@133,94.5
NetIC55_2: IC55.2 R340.1 | length 1.9
  Bottom w0.254: R340.1@131.175,95.25 131.698,95.25 cw(c131.698,94.823) 132,95.125 ccw(c132.302,95.427) 132.302,95 IC55.2@133,95
NetIC55_5: IC55.5 R345.1 | length 1.9
  Bottom w0.254: R345.1@131.175,96.25 131.698,96.25 ccw(c131.698,96.677) 132,96.375 cw(c132.302,96.073) 132.302,96.5 IC55.5@133,96.5
NetIC55_6: IC55.6 R345.2 R349.1 | length 3
  Bottom w0.254: R349.1@130.075,97.25 R345.2@131.175,97.25 131.709,97.25 cw(c131.709,96.909) 131.95,97.15 ccw(c132.312,97.512) 132.312,97 IC55.6@133,97
NetIC55_7: IC55.7 R344.1 R350.2 | length 3
  Bottom w0.254: R344.1@133.5,100.675 R350.2@133.5,99.575 133.5,99.052 ccw(c133.927,99.052) 133.625,98.75 cw(c133.323,98.448) 133.75,98.448 IC55.7@133.75,97.75
NetIC55_8: IC55.8 R350.1 | length 1.9
  Bottom w0.254: IC55.8@134.25,97.75 134.25,98.438 cw(c134.762,98.438) 134.4,98.8 ccw(c134.159,99.041) 134.5,99.041 R350.1@134.5,99.575
NetIC55_23: IC55.23 R335.1 | length 1.9
  Bottom w0.254: IC55.23@134.25,93.75 134.25,93.062 ccw(c134.762,93.062) 134.4,92.7 cw(c134.159,92.459) 134.5,92.459 R335.1@134.5,91.925
NetIC55_24: IC55.24 R335.2 R339.1 | length 3
  Bottom w0.254: R339.1@133.5,90.825 R335.2@133.5,91.925 133.5,92.448 cw(c133.927,92.448) 133.625,92.75 ccw(c133.323,93.052) 133.75,93.052 IC55.24@133.75,93.75
NetIC57_1: IC57.1 R361.1 R368.2 | length 3
  Bottom w0.254: R361.1@130.075,74.5 R368.2@131.175,74.5 131.709,74.5 ccw(c131.709,74.841) 131.95,74.6 cw(c132.312,74.238) 132.312,74.75 IC57.1@133,74.75
NetIC57_2: IC57.2 R368.1 | length 1.9
  Bottom w0.254: R368.1@131.175,75.5 131.698,75.5 cw(c131.698,75.073) 132,75.375 ccw(c132.302,75.677) 132.302,75.25 IC57.2@133,75.25
NetIC57_5: IC57.5 R373.1 | length 1.9
  Bottom w0.254: R373.1@131.175,76.5 131.698,76.5 ccw(c131.698,76.927) 132,76.625 cw(c132.302,76.323) 132.302,76.75 IC57.5@133,76.75
NetIC57_6: IC57.6 R373.2 R377.1 | length 3
  Bottom w0.254: R377.1@130.075,77.5 R373.2@131.175,77.5 131.709,77.5 cw(c131.709,77.159) 131.95,77.4 ccw(c132.312,77.762) 132.312,77.25 IC57.6@133,77.25
NetIC57_7: IC57.7 R372.1 R378.2 | length 3
  Bottom w0.254: R372.1@133.5,80.925 R378.2@133.5,79.825 133.5,79.302 ccw(c133.927,79.302) 133.625,79 cw(c133.323,78.698) 133.75,78.698 IC57.7@133.75,78
NetIC57_8: IC57.8 R378.1 | length 1.9
  Bottom w0.254: IC57.8@134.25,78 134.25,78.688 cw(c134.762,78.688) 134.4,79.05 ccw(c134.159,79.291) 134.5,79.291 R378.1@134.5,79.825